# Allegro board XS6-9.brd
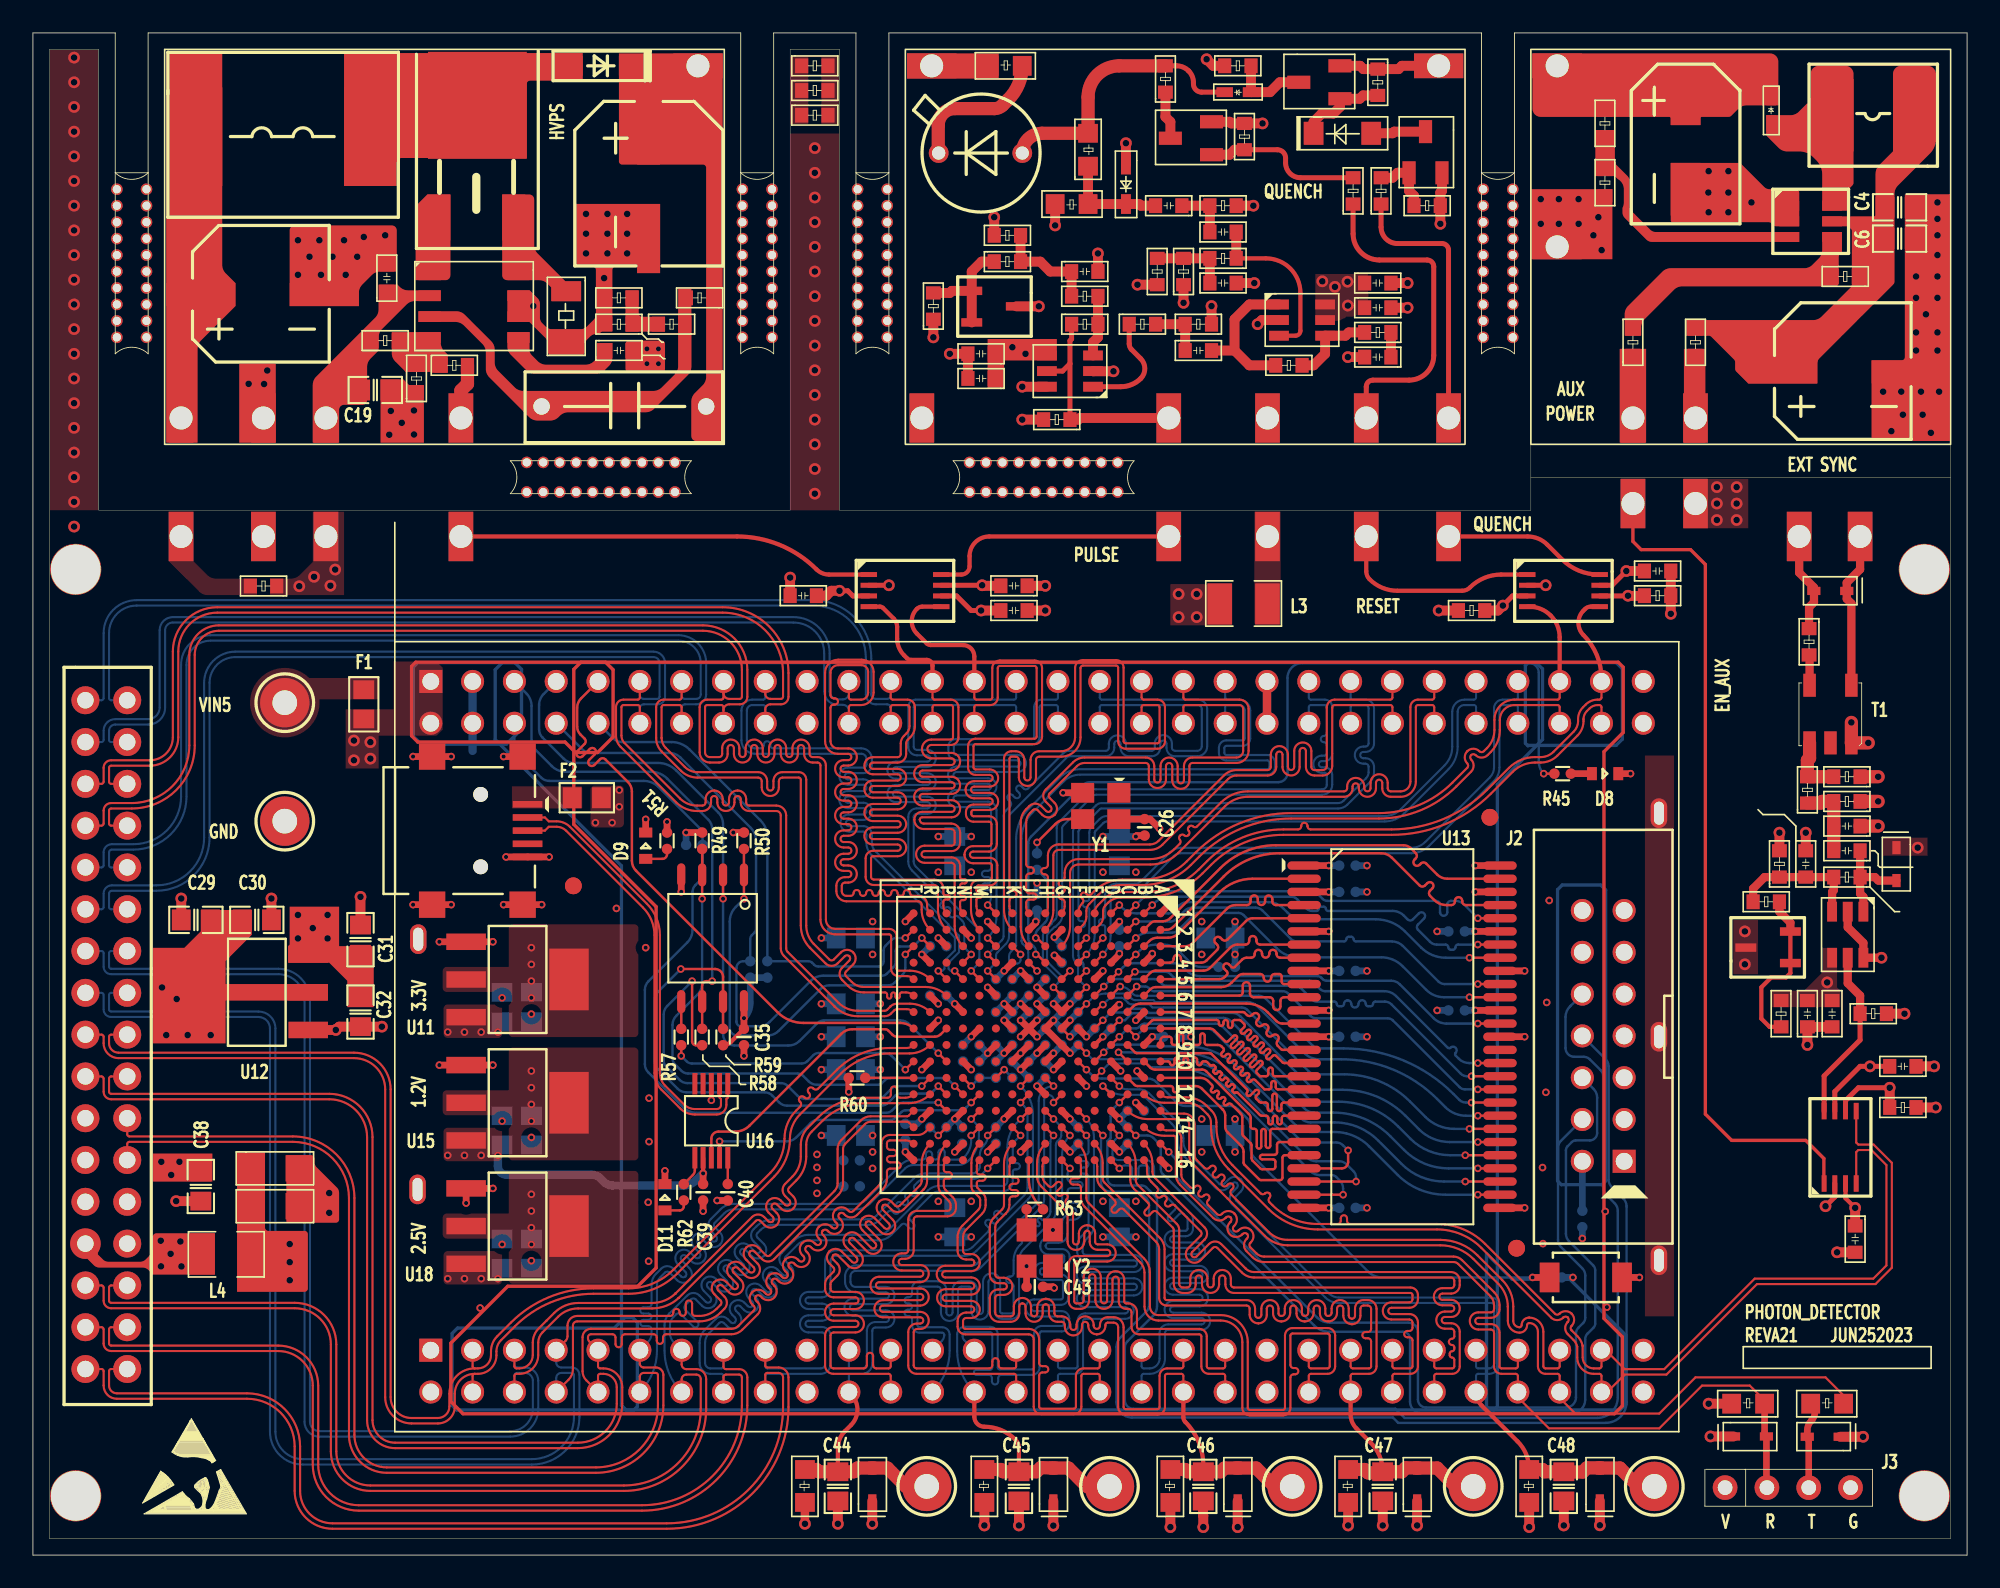
[diagram p0: board, top side]
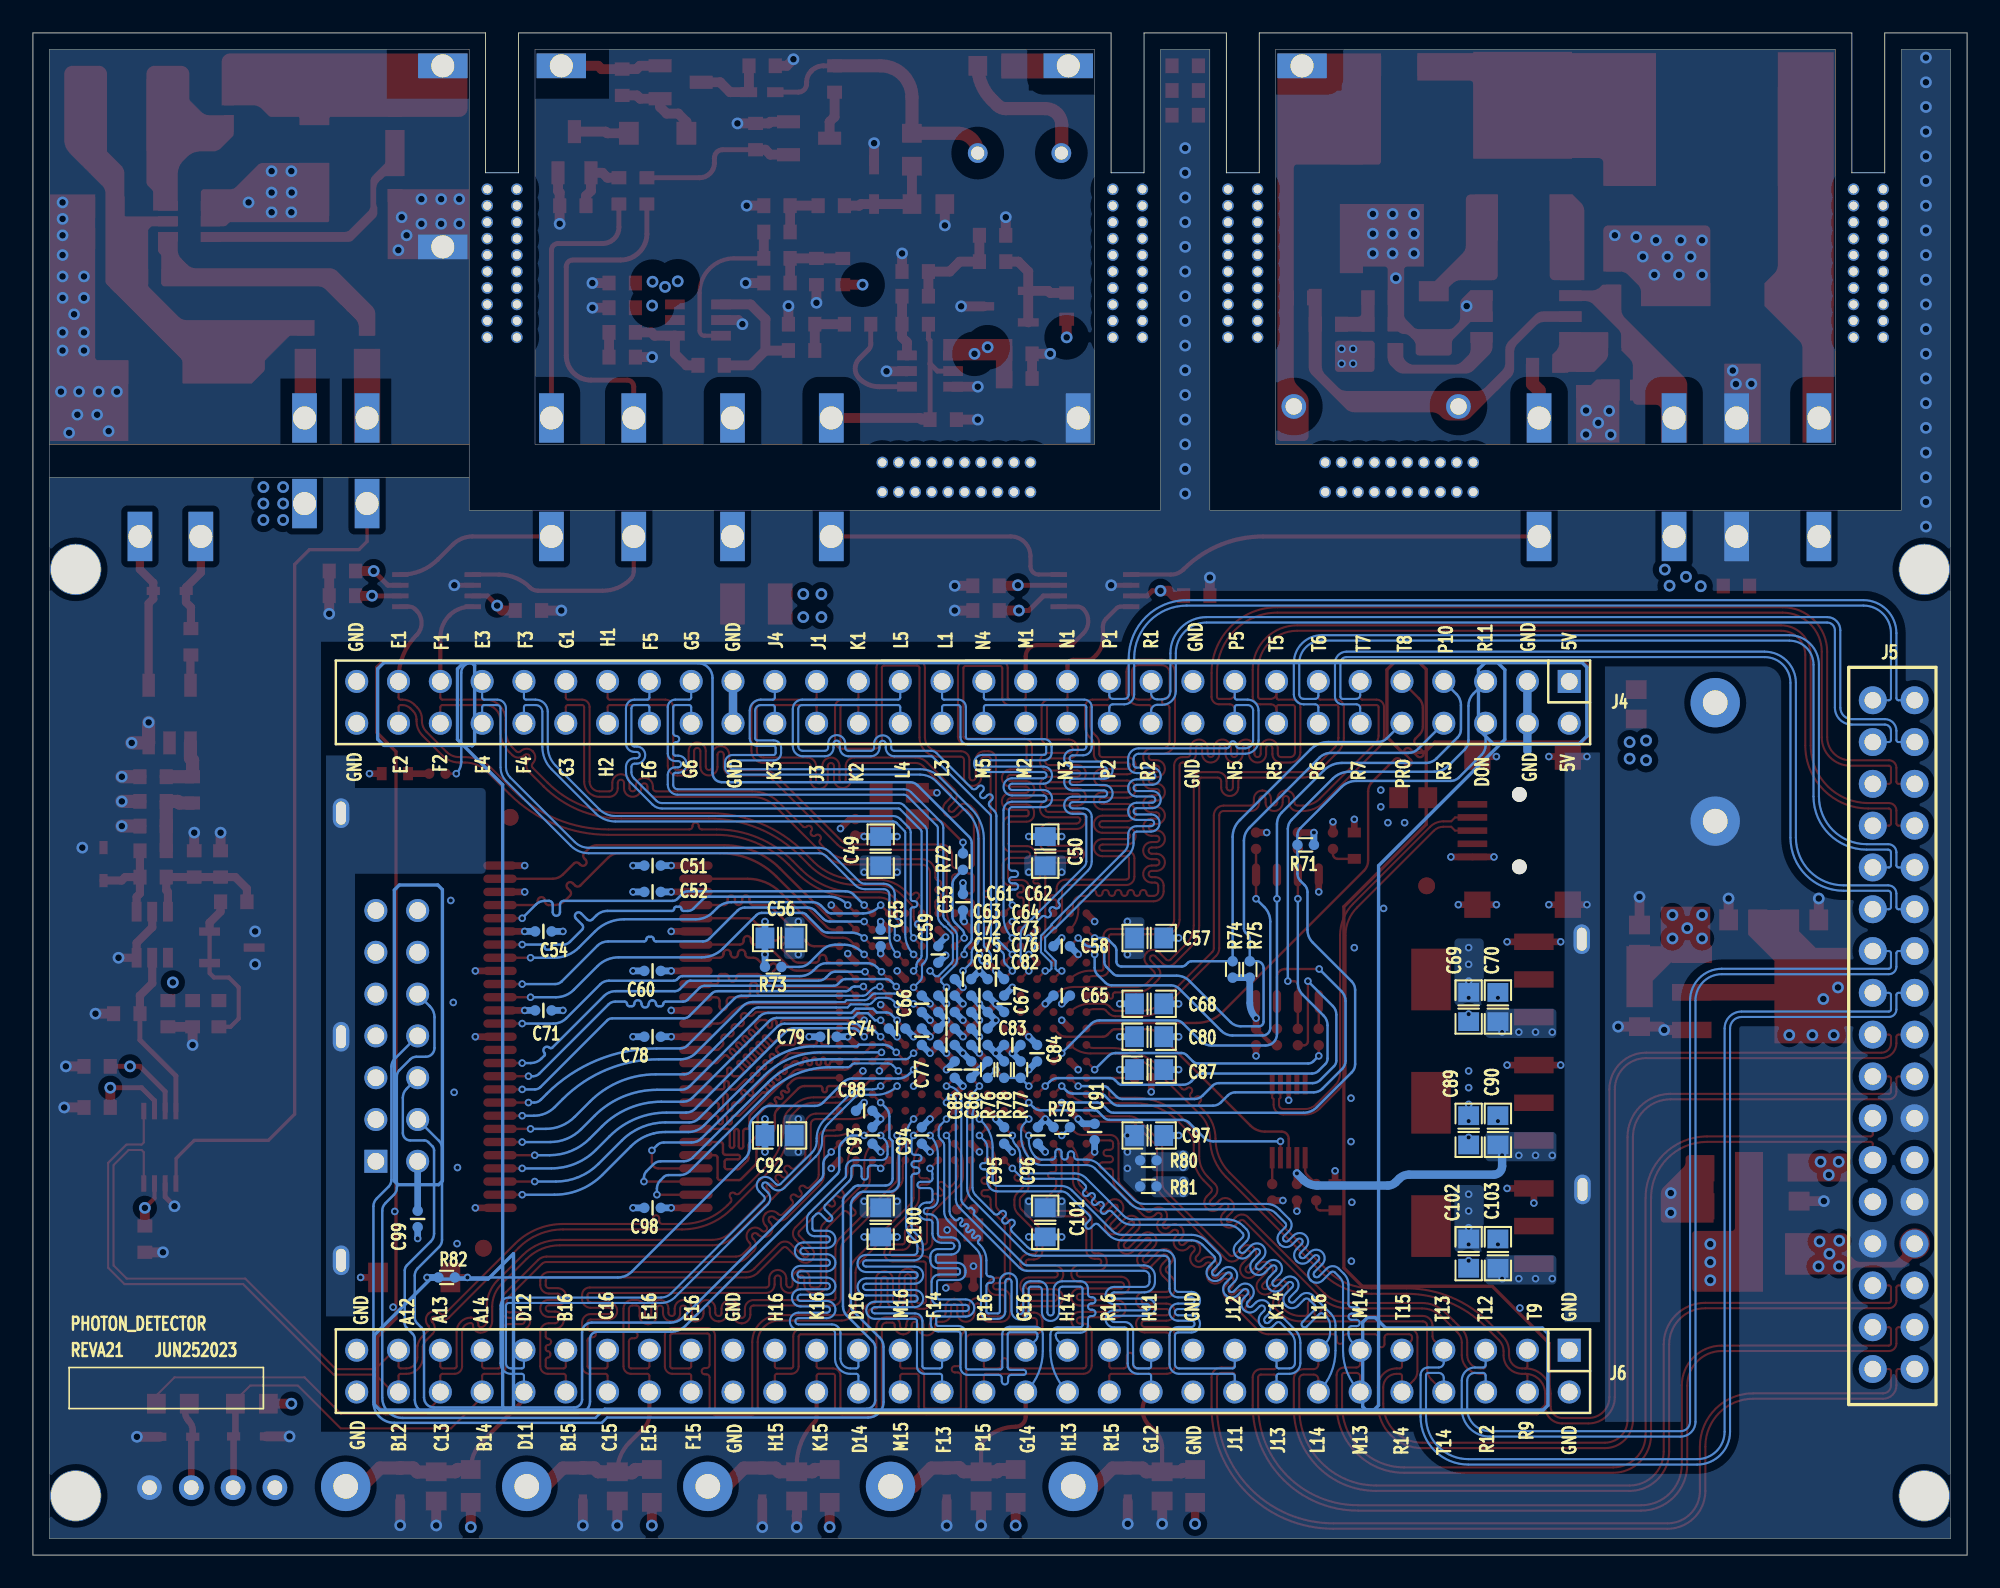
[diagram p1: board, bottom side, seen from below]

Outline 117.5 x 92.5 mm; copper layers: TOP, L2_GND, L3_P, BOTTOM. Coordinates in mm from the lower left corner of the outline.
Outline path: 0,92.5 5,92.5 5,84 7,84 7,92.5 43,92.5 43,84 45,84 45,92.5 50,92.5 50,84 52,84 52,92.5 88,92.5 88,84 90,84 90,92.5 117.5,92.5 117.5,0 0,0 0,92.5

## Design rules (mm)
constraint set DEFAULT: min track width 0.147, pair gap 0.102
net group DP_L34_3: nets EN_HVPS_IO N3_L34P_3
net group DP_USB: nets USB_DM USB_DP
net group NG_SDRAM_D8-15: nets SDRAM_DQ8 SDRAM_DQ9 SDRAM_DQ10 SDRAM_DQ11 SDRAM_DQ12 SDRAM_DQ13 SDRAM_DQ14 SDRAM_DQ15 SDRAM_UDQM

## Placement (name value [footprint] x y rotation side)
C1  100uF/35V  [CAP-SMD-L6D6-W6D6-P5D5-MM]  100.4 88.5 270 top
C2  4.7uF/400V  [CAP-SMD-D8D0-L10D3-B8D3]  37.4 86.6 270 top
C3  0.1uF/16V  [C0603]  69.8 82 180 top
C4  10uF/35V  [C0805]  113.4 81.9 0 top
C5  0.1uF/16V  [C0603]  73.1 80.4 180 top
C6  10uF/35V  [C0805]  113.4 80 0 top
C7  0.1uF/16V  [C0603]  63.1 78 0 top
C8  0.1uF/35V  [C0603]  21.5 76.8 90 top
C9  0.1uF/16V  [C0603]  71.5 77.3 0 top
C10  10uF/16V  [C0603]  80.9 77.3 0 top
C11  220uF/35V  [CAP-SMD-D8D0-L8D3-W8D3-P7D5]  10.2 76.6 0 top
C12  0.1uF/16V  [C0603]  80.9 75.8 0 top
C13  0.1uF/35V  [C0603]  34.8 73.2 0 top
C14  0.1uF/16V  [C0603]  70 73.2 0 top
C15  10uF/16V  [C0603]  58.4 73 180 top
C16  0.1uF/16V  [C0603]  82.5 72.8 180 top
C17  220uF/35V  [CAP-SMD-D8D0-L8D3-W8D3-P7D5]  106.3 71.9 0 top
C18  0.1uF/16V  [C0603]  58.4 71.5 180 top
C19  10uF/35V  [C0805]  20.8 70.8 0 top
C20  0.1uF/400V  [CAP-THR-L11D4-W3D8-P10D0-D0D8]  40.9 69.8 180 top
C21  0.1uF/16V  [C0603]  99.5 59.8 180 top
C22  0.1uF/16V  [C0603]  60.4 58.9 180 top
C23  0.1uF/16V  [C0603]  47.6 58.3 180 top
C24  0.1uF/16V  [C0603]  58.8 57.4 0 top
C25  0.1uF/16V  [C0603]  111 44.3 180 top
C26  100nF  [C0402]  67.54 44.22 270 top
C27  0.1uF/16V  [C0603]  111 42.8 180 top
C28  0.1uF/16V  [C0603]  107.7 41.2 90 top
C29  22uF/6.3V  [C0805]  9.9 38.6 180 top
C30  22uF/6.3V  [C0805]  13.6 38.6 0 top
C31  10uF/10V  [C0805]  19.9 37.4 90 top
C32  10uF/10V  [C0805]  19.9 33 270 top
C33  10uF/16V  [C0603]  107.8 32.1 90 top
C34  0.1uF/16V  [C0603]  109.3 32.1 90 top
C35  100nF  [C0402]  43.2 31.48 270 top
C36  0.1uF/16V  [C0603]  114.4 29.7 180 top
C37  47uF/10V  [C1206]  13.1 22.7 0 top
C38  22uF/6.3V  [C0805]  10.2 22.4 270 top
C39  100nF  [C0402]  40.71 22.05 270 top
C40  100nF  [C0402]  42.21 22.05 270 top
C41  47uF/10V  [C1206]  13.1 20.4 0 top
C42  0.1uF/16V  [C0603]  110.7 20 270 top
C43  100nF  [C0402]  60.86 16.31 0 top
C44  0.1uF/16V  [C0805]  48.9 4.18 270 top
C45  0.1uF/16V  [C0805]  59.9 4.18 270 top
C46  0.1uF/16V  [C0805]  71.1 4.18 270 top
C47  0.1uF/16V  [C0805]  82 4.18 270 top
C48  0.1uF/16V  [C0805]  93 4.18 270 top
C49  10uF  [C0805]  66 42.78 90 bottom
C50  10uF  [C0805]  56 42.78 90 bottom
C51  100nF  [C0402]  79.86 41.9 0 bottom
C52  100nF  [C0402]  79.86 40.3 0 bottom
C53  100nF  [C0402]  61 39.67 90 bottom
C54  100nF  [C0402]  86.49 37.9 180 bottom
C55  100nF  [C0402]  66 37.5 270 bottom
C56  10uF  [C0805]  72.14 37.5 0 bottom
C57  10uF  [C0805]  49.69 37.5 180 bottom
C58  100nF  [C0402]  55 37 0 bottom
C59  100nF  [C0402]  62.5 36.5 90 bottom
C60  100nF  [C0402]  79.86 35.5 0 bottom
C61  100nF  [C0402]  61 35 180 bottom
C62  100nF  [C0402]  59 35 0 bottom
C63  100nF  [C0402]  62 34 180 bottom
C64  100nF  [C0402]  60 34 180 bottom
C65  100nF  [C0402]  55 34 180 bottom
C66  100nF  [C0402]  63.5 33.5 270 bottom
C67  100nF  [C0402]  58.5 33.5 270 bottom
C68  10uF  [C0805]  49.69 33.5 180 bottom
C69  22uF/6.3V  [C0805]  30.28 33.31 270 bottom
C70  10uF/10V  [C0805]  28.5 33.31 90 bottom
C71  100nF  [C0402]  86.49 33.1 180 bottom
C72  100nF  [C0402]  62 33 180 bottom
C73  100nF  [C0402]  60 33 0 bottom
C74  100nF  [C0402]  65 32 0 bottom
C75  100nF  [C0402]  62 32 180 bottom
C76  100nF  [C0402]  60 32 0 bottom
C77  100nF  [C0402]  63.5 31.5 90 bottom
C78  100nF  [C0402]  79.86 31.5 0 bottom
C79  100nF  [C0402]  69.17 31.5 0 bottom
C80  10uF  [C0805]  49.69 31.5 180 bottom
C81  100nF  [C0402]  62 31 180 bottom
C82  100nF  [C0402]  60 31 180 bottom
C83  100nF  [C0402]  58 31 0 bottom
C84  100nF  [C0402]  56.5 30.5 90 bottom
C85  100nF  [C0402]  61.5 29.5 270 bottom
C86  100nF  [C0402]  60.5 29.5 90 bottom
C87  10uF  [C0805]  49.69 29.5 180 bottom
C88  100nF  [C0402]  67 27 180 bottom
C89  22uF/6.3V  [C0805]  30.28 25.81 270 bottom
C90  10uF/10V  [C0805]  28.5 25.81 90 bottom
C91  100nF  [C0402]  53 25.71 270 bottom
C92  10uF  [C0805]  72.14 25.5 0 bottom
C93  100nF  [C0402]  66.5 25.5 90 bottom
C94  100nF  [C0402]  63.5 25.5 270 bottom
C95  100nF  [C0402]  58.5 25.5 270 bottom
C96  100nF  [C0402]  56.45 25.5 90 bottom
C97  10uF  [C0805]  49.69 25.5 180 bottom
C98  100nF  [C0402]  79.86 21.1 0 bottom
C99  100nF  [C0402]  94.13 20.43 270 bottom
C100  10uF  [C0805]  66 20.22 270 bottom
C101  10uF  [C0805]  56 20.22 270 bottom
C102  22uF/6.3V  [C0805]  30.28 18.32 270 bottom
C103  10uF/10V  [C0805]  28.5 18.32 90 bottom
D1  E1G  [SOD-123FL]  36.3 90.5 180 top
D2  BAS521-7  [SOD-523-L1D2-W0D8-P1D6-MM]  72.4 88.9 0 top
D3  BAS521-7  [SOD-523-L1D2-W0D8-P1D6-MM]  105.6 88.6 270 top
D4  MMSZ12T1G  [SOD-123-L2D8-W1D8-P3D5-MM]  77.8 86.4 0 top
D5  SAPD  [SAPD-THR-2P]  57.6 85.2 180 top
D6  PTVSLC3D3V3B  [SOD323-L1D8-W1D3-P2D4-MM]  66.4 84.5 270 top
D7  PTVSLC3D5VB  [SOD-323]  109.2 58.6 180 top
D8  GREEN  [Q0603]  95.51 47.49 0 top
D9  GREEN  [Q0603]  37.23 43.11 90 top
D10  PTVSLC3D3V3B  [SOD-323]  113.2 42 270 top
D11  GREEN  [Q0603]  38.39 21.75 90 top
D12  PTVSLC3D3V3B  [SOD-323]  104.3 7.2 0 top
D13  PTVSLC3D3V3B  [SOD-323]  108.8 7.2 180 top
D14  PTVSLC3D3V3B  [SOD-323]  51 4.28 90 top
D15  PTVSLC3D3V3B  [SOD-323]  62 4.28 90 top
D16  PTVSLC3D3V3B  [SOD-323]  73.2 4.28 90 top
D17  PTVSLC3D3V3B  [SOD-323]  84.1 4.28 90 top
D18  PTVSLC3D3V3B  [SOD-323]  95.2 4.28 90 top
F1  400mA  [F0805]  20.1 51.7 90 top
F2  400mA  [F0805]  33.65 46.02 0 top
J1  MINI USB  [MINIUSB-AB-SM]  21.3 44.02 270 top
J2  CONN RCPT 7x2  [DIP2X7_2P54]  96.67 23.93 90 top
J3  Header1x4  [SIP-4-2D54MM]  102.8 4.1 0 top
J4  CONN PLUG 30x2  [DIP2X30_2P54]  24.17 53.09 0 bottom
J5  Header-17x2  [DIP-17X2-2D54MM]  3.19 51.95 270 bottom
J6  CONN PLUG 30x2  [DIP2X30_2P54]  24.17 12.45 0 bottom
L1  47uH/1A  [IND-SMD-L5D0-W5D0-P4D6-MM]  114.1 87.5 180 top
L2  100uH/2A  [IND-SMD-L11D5-W10D0-P10D4]  10 86.2 0 top
L3  10uH/300mA  [L1210]  75.1 59.1 180 top
L4  10uH/300mA  [L1210]  10.2 17 0 top
NOREF  -  [unnamed]  51 83 270 top
NOREF#2  -  [#2]  32.7 90.5 0 top
NOREF#3  -  [unnamed]  6 83 270 top
NOREF#4  -  [unnamed#3]  114.9 59.9 0 top
NOREF#5  -  [unnamed#3]  114.9 3.6 0 top
NOREF#6  -  [#2]  117.5 0 90 top
NOREF#7  -  [#2]  2.6 3.6 0 top
NOREF#8  -  [#2]  24.66 81.28 0 top
NOREF#9  -  [#2]  106.3 71.9 0 top
NOREF#10  -  [#2]  15.3 72.5 90 top
NOREF#11  -  [unnamed#3]  2.6 59.9 0 top
NOREF#12  -  [#2]  116.04 60.87 0 top
NOREF#13  -  [#2]  37.4 80 90 top
NOREF#14  -  [#2]  40.8 82.1 90 top
NOREF#15  -  [unnamed]  44 83 270 top
NOREF#16  -  [#2]  0 0 0 top
NOREF#17  -  [unnamed#3]  2.6 3.6 0 top
NOREF#18  -  [#2]  111.4 67.8 90 top
NOREF#19  -  [#2]  32.4 72.9 90 top
NOREF#20  -  [#2]  97.83 12.45 90 top
NOREF#21  -  [#2]  35.7 84.9 0 top
NOREF#22  -  [#2]  33.55 75.17 90 top
NOREF#23  -  [unnamed#4]  88.51 44.83 0 top
NOREF#24  -  [unnamed]  30 65.5 0 top
NOREF#25  -  [unnamed#4]  32.83 40.67 0 top
NOREF#26  -  [unnamed]  56.9 65.5 0 top
NOREF#27  -  [#2]  10.2 76.6 0 top
NOREF#28  -  [unnamed#4]  90.13 18.65 0 top
NOREF#29  -  [#2]  9.7 74.75 0 top
NOREF#30  -  [#2]  24.66 81.28 0 top
NOREF#31  -  [unnamed]  89 83 270 top
NOREF#32  -  [#2]  114.9 3.6 90 top
NOREF#33  -  [#2]  32.4 73.8 90 top
NOREF#34  -  [#2]  105.8 70.05 0 top
NOREF#35  -  [#2]  152.35 60.76 180 bottom
Q1  AO3401A  [SOT-23-3-L2D9-W1D3-P1D9-MM]  79.4 90.5 0 top
Q2  FH3400C  [SOT-23-3-L2D9-W1D3-P1D9-MM]  71.6 87.1 0 top
Q3  AOD458  [TO-252-2-DPAK]  27 88.1 90 top
Q4  FH3400C  [SOT-23-3-L2D9-W1D3-P1D9-MM]  85.6 84 270 top
R1  0  [R0603]  46.7 90.5 0 top
R2  0  [R0805]  60.1 90.5 180 top
R3  1M  [R0603]  72.4 90.5 0 top
R4  0  [R0603]  68.8 88.9 90 top
R5  1K  [R0603]  81.7 90.3 270 top
R6  0  [R0603]  46.7 89 0 top
R7  0  [R0603]  46.7 87.5 0 top
R8  182K  [R0603]  95.5 87.8 270 top
R9  1K  [R0603]  73.6 85.4 90 top
R10  332K  [R0805]  64.1 84.4 90 top
R11  10K  [R0603]  95.5 84.2 270 top
R12  100  [R0603]  80.2 82.1 90 top
R13  100  [R0603]  81.9 82.1 90 top
R14  100K  [R0805]  62.1 82.1 0 top
R15  100K  [R0603]  71.5 82 0 top
R16  1K  [R0603]  83.9 82 0 top
R17  682  [R0603]  60 80.2 180 top
R18  100K  [R0603]  73.1 78.8 180 top
R19  4.99K  [R0603]  58.4 78.6 0 top
R20  4.99K  [R0603]  68.3 78.8 270 top
R21  4.99K  [R0603]  69.9 77.2 90 top
R22  10K  [R0603]  110.9 77.7 180 top
R23  1K  [R0603]  64.7 76.5 180 top
R24  DNP  [R0603]  36.4 76.4 180 top
R25  1.5M  [R0603]  41.3 76.4 180 top
R26  499  [R0603]  54.7 75.1 90 top
R27  50mR  [R1206]  32.4 76.8 270 top
R28  10K  [R0603]  36.4 74.8 180 top
R29  0  [R0603]  39.6 74.8 180 top
R30  10K  [R0603]  63.1 74.8 0 top
R31  0  [R0603]  66.6 74.8 0 top
R32  100K  [R0603]  71.6 74.8 180 top
R33  100K  [R0603]  82.5 74.3 180 top
R34  DNP  [R0603]  20.6 73.8 0 top
R35  0  [R0603]  97.2 72.9 90 top
R36  0  [R0603]  101 72.9 90 top
R37  DNP  [R0603]  26.4 72.3 180 top
R38  4.99K  [R0603]  75.5 72.3 0 top
R39  0  [R0603]  23.3 70.7 90 top
R40  10K  [R0603]  63 69 180 top
R41  0  [R0603]  14.81 58.89 180 top
R42  1K  [R0603]  97.9 58.3 0 top
R43  1K  [R0603]  88.2 57.4 180 top
R44  0  [R0603]  107.9 56.3 270 top
R45  1K  [R0402]  92.93 47.49 180 top
R46  50  [R0603]  111 47.3 180 top
R47  0  [R0603]  107.8 45.7 90 top
R48  DNP  [R0603]  111 45.8 180 top
R49  4.7K  [R0402]  40.66 43.41 90 top
R50  2.4K  [R0402]  43.2 43.41 90 top
R51  680R  [R0402]  38.52 43.41 270 top
R52  682  [R0603]  106.1 41.2 90 top
R53  10K  [R0603]  111 41.2 180 top
R54  4.99K  [R0603]  106.1 39.7 180 top
R55  499  [R0603]  106.2 33.7 270 top
R56  10K  [R0603]  111 32.9 0 top
R57  33R  [R0402]  39.39 31.48 90 top
R58  33R  [R0402]  40.66 31.48 90 top
R59  4.7K  [R0402]  41.93 31.48 270 top
R60  1K  [R0402]  50.06 29 180 top
R61  1K  [R0603]  112.8 27.2 0 top
R62  680R  [R0402]  39.54 22.05 270 top
R63  33R  [R0402]  60.86 21.01 180 top
R64  10K  [R0805]  105.2 9.2 180 top
R65  1K  [R0805]  110 9.2 180 top
R66  10K  [R0805]  46.9 5.2 270 top
R67  10K  [R0805]  57.8 5.2 270 top
R68  10K  [R0805]  69.1 5.2 270 top
R69  10K  [R0805]  79.9 5.2 270 top
R70  10K  [R0805]  90.9 5.2 270 top
R71  330R  [R0402]  40.18 43.16 180 bottom
R72  33R  [R0402]  61 42.14 90 bottom
R73  100R  [R0402]  72.53 35.74 0 bottom
R74  4.7K  [R0402]  44.62 35.59 270 bottom
R75  4.7K  [R0402]  43.58 35.59 270 bottom
R76  4.7K  [R0402]  59.5 29.5 90 bottom
R77  1K/NC  [R0402]  57.5 29.5 90 bottom
R78  1K  [R0402]  58.5 29.5 270 bottom
R79  4.7K  [R0402]  55 26 180 bottom
R80  0R/NC  [R0402]  49.74 23.99 180 bottom
R81  0R  [R0402]  49.74 22.41 180 bottom
R82  1K  [R0402]  92.37 16.87 180 bottom
S1  FSMRA2JH  [SMD_3X4X2MM]  94.34 16.87 0 top
T1  ETC1-1T-2TR  [SM-22]  111.1 53 180 top
T2  TPAD_015  [TP_OBL1_4X0_6]  98.78 45.08 90 top
T3  TPAD_015  [TP_OBL1_4X0_6]  23.41 37.43 90 top
T4  TPAD_015  [TP_OBL1_4X0_6]  98.78 31.5 90 top
T5  TPAD_015  [TP_OBL1_4X0_6]  23.37 22.22 90 top
T6  TPAD_015  [TP_OBL1_4X0_6]  98.78 17.91 90 top
TP1  T POINT F  [STAMP_HOLE_1D5X3D0_1D4]  40.4 90.5 270 top
TP2  T POINT F  [STAMP_HOLE_1D5X3D0_1D4]  54.6 90.5 90 top
TP3  T POINT F  [STAMP_HOLE_1D5X3D0_1D4]  85.4 90.5 270 top
TP4  T POINT F  [STAMP_HOLE_1D5X3D0_1D4]  92.6 90.5 90 top
TP5  T POINT F  [STAMP_HOLE_1D5X3D0_1D4]  92.6 79.5 90 top
TP6  T POINT F  [STAMP_HOLE_1D5X3D0_1D4]  9 69.1 180 top
TP7  T POINT F  [STAMP_HOLE_1D5X3D0_1D4]  14 69.1 180 top
TP8  T POINT F  [STAMP_HOLE_1D5X3D0_1D4]  17.8 69.1 180 top
TP9  T POINT F  [STAMP_HOLE_1D5X3D0_1D4]  26 69.1 180 top
TP10  T POINT F  [STAMP_HOLE_1D5X3D0_1D4]  54 69.1 180 top
TP11  PULSE  [STAMP_HOLE_1D5X3D0_1D4]  69 69.1 180 top
TP12  T POINT F  [STAMP_HOLE_1D5X3D0_1D4]  75 69.1 180 top
TP13  RESET  [STAMP_HOLE_1D5X3D0_1D4]  81 69.1 180 top
TP14  QUENCH  [STAMP_HOLE_1D5X3D0_1D4]  86 69.1 180 top
TP15  T POINT F  [STAMP_HOLE_1D5X3D0_1D4]  97.2 69.1 180 top
TP16  T POINT F  [STAMP_HOLE_1D5X3D0_1D4]  101 69.1 180 top
TP17  T POINT F  [STAMP_HOLE_1D5X3D0_1D4]  97.2 63.9 0 top
TP18  T POINT F  [STAMP_HOLE_1D5X3D0_1D4]  101 63.9 0 top
TP19  T POINT F  [STAMP_HOLE_1D5X3D0_1D4]  9 61.9 0 top
TP20  T POINT F  [STAMP_HOLE_1D5X3D0_1D4]  14 61.9 0 top
TP21  T POINT F  [STAMP_HOLE_1D5X3D0_1D4]  17.8 61.9 0 top
TP22  T POINT F  [STAMP_HOLE_1D5X3D0_1D4]  26 61.9 0 top
TP23  QUENCH  [STAMP_HOLE_1D5X3D0_1D4]  69 61.9 0 top
TP24  T POINT F  [STAMP_HOLE_1D5X3D0_1D4]  75 61.9 0 top
TP25  QUENCH  [STAMP_HOLE_1D5X3D0_1D4]  81 61.9 0 top
TP26  QUENCH  [STAMP_HOLE_1D5X3D0_1D4]  86 61.9 0 top
TP27  T POINT F  [STAMP_HOLE_1D5X3D0_1D4]  107.3 61.9 0 top
TP28  T POINT F  [STAMP_HOLE_1D5X3D0_1D4]  111 61.9 0 top
TP29  GND  [TP_THR_CIR_3D0_1D5]  15.3 51.8 0 top
TP30  GND  [TP_THR_CIR_3D0_1D5]  15.3 44.6 0 top
TP31  GND  [TP_THR_CIR_3D0_1D5]  54.3 4.18 0 top
TP32  GND  [TP_THR_CIR_3D0_1D5]  65.4 4.18 0 top
TP33  GND  [TP_THR_CIR_3D0_1D5]  76.5 4.18 0 top
TP34  GND  [TP_THR_CIR_3D0_1D5]  87.5 4.18 0 top
TP35  GND  [TP_THR_CIR_3D0_1D5]  98.5 4.18 0 top
U1  MAX5026EUT-T  [SOT23-6]  108 81.1 270 top
U2  MAX1771ESA+  [SO-8]  29.5 77.8 270 top
U3  TL431  [SOT-23-3-TL431]  56.6 77.3 270 top
U4  OPA357AIDBVR  [SOT-23-6-L2D9-W1D6-PD0D95-CD2D8-MM]  75.7 76 0 top
U5  TLV3501AIDBVR  [SOT-23-6-L2D9-W1D6-PD0D95-CD2D8-MM]  64.4 71 180 top
U6  TXS0102DCUR  [VSSOP-8]  53 58.6 270 top
U7  TXS0102DCUR  [VSSOP-8]  93 58.6 270 top
U8  TLV3501AIDBVR  [SOT-23-6-L2D9-W1D6-PD0D95-CD2D8-MM]  111.2 39.1 270 top
U9  W25Q16FVSIG  [SOIC8_1P27_208MIL]  41.29 37.48 270 top
U10  TL431  [SOT-23-3-TL431]  107.2 35.5 90 top
U11  AMS1117-3.3  [SOT-223]  29.44 34.98 270 top
U12  AMS1117-3.3  [SOT-223]  13.6 34.2 90 top
U13  W9812G6KH-6  [TSOP54-400]  77.22 41.9 270 top
U14  xc6slx25ftg256  [FTG256]  61 31.5 270 top
U15  AMS1117-1.2  [SOT-223]  29.44 27.49 270 top
U16  CH340E  [MSOP10]  41.21 26.39 270 top
U17  TXS0102DCUR  [VSSOP-8]  109.8 24.8 0 top
U18  AMS1117-2.5  [SOT-223]  29.44 19.99 270 top
Y1  50MHz  [OSC3225]  64.87 45.52 180 top
Y2  TBD  [OSC3225]  61.16 18.66 90 top

## Library data of the parts
C1 C2 C11 C17 C20 = C
C3-C10 C12-C16 C18 C19 C21-C25 C27 C28 C33 C34 C36 C37 C41 C42 C44-C48 = CAP NP
C26 C43 = CAP_0: room: PHY&FPGA
C29-C32 C35 C38-C40 C49-C103 = CAP_NP
D1-D3 D5 = DIODE
D4 = DIODE ZENER
D6 D7 D10 D12-D18 = DIODE SCHOTTKY
D8 D9 D11 = LED: room: POWER
F1 F2 = FUSE
J1 = USB_MINI_AB_RECEPTACLE: Tolerance: #TOL; User Part Number: HAMP
J2 = CONN RCPT 7x2/SM_1
J3 = Header1x4
J4 J6 = CONN PLUG 30x2
J5 = Header-17x2
L1-L4 = INDUCTOR
Q1 = BSP316P_0
Q2 Q4 = FH3400C
Q3 = IRF644PbF
R1-R44 R46-R48 R52-R56 R61 R64-R70 = R
R45 R49-R51 R57-R60 R62 R63 R71-R82 = SMALL R1
S1 = SWITCH_2: User Part Number: partnum; Tolerance: RichardLC; room: CPU
T1 = ETC1-1T-2TR
T2-T6 = TESTLOOP
TP1-TP35 = T POINT F
U1 = MAX5026EUT-T
U2 = MAX1771ESA+
U3 U10 = TL431/TI
U4 = OPA357AIDBVR
U5 U8 = TLV3501AIDBVR
U6 U7 U17 = TXS0102DCUR
U9 = EPCS1SI8N_0
U11 U12 U15 U18 = AMS1117
U13 = K4S561632C-TC75_0
U14 = xc6slx25ftg256
U16 = CH340E
Y1 Y2 = OSCILLATOR_0: room: PHY&FPGA

## Footprints (pads in the part's own frame, mm; a bottom-side part is the same pattern mirrored in y, then rotated)
C0402
  round 0.635 smd: 1(-0.5,0) 2(0.5,0)
C0603
  rect 0.8x0.9 smd: 1(0,0) 2(1.6,0)
C0805
  rect 1.141x1.27 smd: 1(-0.889,0) 2(0.889,0)
C1206
  rect 1.5x1.6 smd: 1(0.2,0.8) 2(3,0.8)
CAP-SMD-D8D0-L8D3-W8D3-P7D5
  rect 4.2x1.4 smd: 1(0,0) 2(7.5,0)
CAP-SMD-D8D0-L10D3-B8D3
  rect 4.2x1.4 smd: 1(0,0) 2(6.6,0)
CAP-SMD-L6D6-W6D6-P5D5-MM
  rect 3.2x1.8 smd: 1(0,0) 2(5.5,0)
CAP-THR-L11D4-W3D8-P10D0-D0D8
  round 1.5 hole 1: 1(0,0) 2(10,0)
DIP2X7_2P54
  rect 1.399x1.399 hole 1.021: 1(0,0)
  round 1.399 hole 1.021: 2(0,2.54) 3(2.54,0) 4(2.54,2.54) 5(5.08,0) 6(5.08,2.54) 7(7.62,0) 8(7.62,2.54) 9(10.16,0) 10(10.16,2.54) 11(12.7,0) 12(12.7,2.54) 13(15.24,0) 14(15.24,2.54)
DIP2X30_2P54
  rect 1.399x1.399 hole 1.021: 1(0,0)
  round 1.399 hole 1.021: 2(0,2.54) 3(2.54,0) 4(2.54,2.54) 5(5.08,0) 6(5.08,2.54) 7(7.62,0) 8(7.62,2.54) 9(10.16,0) 10(10.16,2.54) 11(12.7,0) 12(12.7,2.54) 13(15.24,0) 14(15.24,2.54) 15(17.78,0) 16(17.78,2.54) 17(20.32,0) 18(20.32,2.54) 19(22.86,0) 20(22.86,2.54) 21(25.4,0) 22(25.4,2.54) 23(27.94,0) 24(27.94,2.54) 25(30.48,0) 26(30.48,2.54) 27(33.02,0) 28(33.02,2.54) 29(35.56,0) 30(35.56,2.54) 31(38.1,0) 32(38.1,2.54) 33(40.64,0) 34(40.64,2.54) 35(43.18,0) 36(43.18,2.54) 37(45.72,0) 38(45.72,2.54) 39(48.26,0) 40(48.26,2.54) 41(50.8,0) 42(50.8,2.54) 43(53.34,0) 44(53.34,2.54) 45(55.88,0) 46(55.88,2.54) 47(58.42,0) 48(58.42,2.54) 49(60.96,0) 50(60.96,2.54) 51(63.5,0) 52(63.5,2.54) 53(66.04,0) 54(66.04,2.54) 55(68.58,0) 56(68.58,2.54) 57(71.12,0) 58(71.12,2.54) 59(73.66,0) 60(73.66,2.54)
DIP-17X2-2D54MM
  round 1.7 hole 1: 1(0,-2.54) 2(0,0) 3(2.54,-2.54) 4(2.54,0) 5(5.08,-2.54) 6(5.08,0) 7(7.62,-2.54) 8(7.62,0) 9(10.16,-2.54) 10(10.16,0) 11(12.7,-2.54) 12(12.7,0) 13(15.24,-2.54) 14(15.24,0) 15(17.78,-2.54) 16(17.78,0) 17(20.32,-2.54) 18(20.32,0) 19(22.86,-2.54) 20(22.86,0) 21(25.4,-2.54) 22(25.4,0) 23(27.94,-2.54) 24(27.94,0) 25(30.48,-2.54) 26(30.48,0) 27(33.02,-2.54) 28(33.02,0) 29(35.56,-2.54) 30(35.56,0) 31(38.1,-2.54) 32(38.1,0) 33(40.64,-2.54) 34(40.64,0)
F0805
  rect 1.141x1.27 smd: 1(-0.889,0) 2(0.889,0)
FTG256
  round 0.483 smd: A1(-7.5,7.5) A2(-6.5,7.5) A3(-5.5,7.5) A4(-4.5,7.5) A5(-3.5,7.5) A6(-2.5,7.5) A7(-1.5,7.5) A8(-0.5,7.5) A9(0.5,7.5) A10(1.5,7.5) A11(2.5,7.5) A12(3.5,7.5) A13(4.5,7.5) A14(5.5,7.5) A15(6.5,7.5) A16(7.5,7.5) B1(-7.5,6.5) B2(-6.5,6.5) B3(-5.5,6.5) B4(-4.5,6.5) B5(-3.5,6.5) B6(-2.5,6.5) B7(-1.5,6.5) B8(-0.5,6.5) B9(0.5,6.5) B10(1.5,6.5) B11(2.5,6.5) B12(3.5,6.5) B13(4.5,6.5) B14(5.5,6.5) B15(6.5,6.5) B16(7.5,6.5) C1(-7.5,5.5) C2(-6.5,5.5) C3(-5.5,5.5) C4(-4.5,5.5) C5(-3.5,5.5) C6(-2.5,5.5) C7(-1.5,5.5) C8(-0.5,5.5) C9(0.5,5.5) C10(1.5,5.5) C11(2.5,5.5) C12(3.5,5.5) C13(4.5,5.5) C14(5.5,5.5) C15(6.5,5.5) C16(7.5,5.5) D1(-7.5,4.5) D2(-6.5,4.5) D3(-5.5,4.5) D4(-4.5,4.5) D5(-3.5,4.5) D6(-2.5,4.5) D7(-1.5,4.5) D8(-0.5,4.5) D9(0.5,4.5) D10(1.5,4.5) D11(2.5,4.5) D12(3.5,4.5) D13(4.5,4.5) D14(5.5,4.5) D15(6.5,4.5) D16(7.5,4.5) E1(-7.5,3.5) E2(-6.5,3.5) E3(-5.5,3.5) E4(-4.5,3.5) E5(-3.5,3.5) E6(-2.5,3.5) E7(-1.5,3.5) E8(-0.5,3.5) E9(0.5,3.5) E10(1.5,3.5) E11(2.5,3.5) E12(3.5,3.5) E13(4.5,3.5) E14(5.5,3.5) E15(6.5,3.5) E16(7.5,3.5) F1(-7.5,2.5) F2(-6.5,2.5) F3(-5.5,2.5) F4(-4.5,2.5) F5(-3.5,2.5) F6(-2.5,2.5) F7(-1.5,2.5) F8(-0.5,2.5) F9(0.5,2.5) F10(1.5,2.5) F11(2.5,2.5) F12(3.5,2.5) F13(4.5,2.5) F14(5.5,2.5) F15(6.5,2.5) F16(7.5,2.5) G1(-7.5,1.5) G2(-6.5,1.5) G3(-5.5,1.5) G4(-4.5,1.5) G5(-3.5,1.5) G6(-2.5,1.5) G7(-1.5,1.5) G8(-0.5,1.5) G9(0.5,1.5) G10(1.5,1.5) G11(2.5,1.5) G12(3.5,1.5) G13(4.5,1.5) G14(5.5,1.5) G15(6.5,1.5) G16(7.5,1.5) H1(-7.5,0.5) H2(-6.5,0.5) H3(-5.5,0.5) H4(-4.5,0.5) H5(-3.5,0.5) H6(-2.5,0.5) H7(-1.5,0.5) H8(-0.5,0.5) H9(0.5,0.5) H10(1.5,0.5) H11(2.5,0.5) H12(3.5,0.5) H13(4.5,0.5) H14(5.5,0.5) H15(6.5,0.5) H16(7.5,0.5) J1(-7.5,-0.5) J2(-6.5,-0.5) J3(-5.5,-0.5) J4(-4.5,-0.5) J5(-3.5,-0.5) J6(-2.5,-0.5) J7(-1.5,-0.5) J8(-0.5,-0.5) J9(0.5,-0.5) J10(1.5,-0.5) J11(2.5,-0.5) J12(3.5,-0.5) J13(4.5,-0.5) J14(5.5,-0.5) J15(6.5,-0.5) J16(7.5,-0.5) K1(-7.5,-1.5) K2(-6.5,-1.5) K3(-5.5,-1.5) K4(-4.5,-1.5) K5(-3.5,-1.5) K6(-2.5,-1.5) K7(-1.5,-1.5) K8(-0.5,-1.5) K9(0.5,-1.5) K10(1.5,-1.5) K11(2.5,-1.5) K12(3.5,-1.5) K13(4.5,-1.5) K14(5.5,-1.5) K15(6.5,-1.5) K16(7.5,-1.5) L1(-7.5,-2.5) L2(-6.5,-2.5) L3(-5.5,-2.5) L4(-4.5,-2.5) L5(-3.5,-2.5) L6(-2.5,-2.5) L7(-1.5,-2.5) L8(-0.5,-2.5) L9(0.5,-2.5) L10(1.5,-2.5) L11(2.5,-2.5) L12(3.5,-2.5) L13(4.5,-2.5) L14(5.5,-2.5) L15(6.5,-2.5) L16(7.5,-2.5) M1(-7.5,-3.5) M2(-6.5,-3.5) M3(-5.5,-3.5) M4(-4.5,-3.5) M5(-3.5,-3.5) M6(-2.5,-3.5) M7(-1.5,-3.5) M8(-0.5,-3.5) M9(0.5,-3.5) M10(1.5,-3.5) M11(2.5,-3.5) M12(3.5,-3.5) M13(4.5,-3.5) M14(5.5,-3.5) M15(6.5,-3.5) M16(7.5,-3.5) N1(-7.5,-4.5) N2(-6.5,-4.5) N3(-5.5,-4.5) N4(-4.5,-4.5) N5(-3.5,-4.5) N6(-2.5,-4.5) N7(-1.5,-4.5) N8(-0.5,-4.5) N9(0.5,-4.5) N10(1.5,-4.5) N11(2.5,-4.5) N12(3.5,-4.5) N13(4.5,-4.5) N14(5.5,-4.5) N15(6.5,-4.5) N16(7.5,-4.5) P1(-7.5,-5.5) P2(-6.5,-5.5) P3(-5.5,-5.5) P4(-4.5,-5.5) P5(-3.5,-5.5) P6(-2.5,-5.5) P7(-1.5,-5.5) P8(-0.5,-5.5) P9(0.5,-5.5) P10(1.5,-5.5) P11(2.5,-5.5) P12(3.5,-5.5) P13(4.5,-5.5) P14(5.5,-5.5) P15(6.5,-5.5) P16(7.5,-5.5) R1(-7.5,-6.5) R2(-6.5,-6.5) R3(-5.5,-6.5) R4(-4.5,-6.5) R5(-3.5,-6.5) R6(-2.5,-6.5) R7(-1.5,-6.5) R8(-0.5,-6.5) R9(0.5,-6.5) R10(1.5,-6.5) R11(2.5,-6.5) R12(3.5,-6.5) R13(4.5,-6.5) R14(5.5,-6.5) R15(6.5,-6.5) R16(7.5,-6.5) T1(-7.5,-7.5) T2(-6.5,-7.5) T3(-5.5,-7.5) T4(-4.5,-7.5) T5(-3.5,-7.5) T6(-2.5,-7.5) T7(-1.5,-7.5) T8(-0.5,-7.5) T9(0.5,-7.5) T10(1.5,-7.5) T11(2.5,-7.5) T12(3.5,-7.5) T13(4.5,-7.5) T14(5.5,-7.5) T15(6.5,-7.5) T16(7.5,-7.5)